# Altium PCB Control_Board_Model_C204.PcbDoc (part 3 of 6)
Units mm, origin at the board's own origin, x right, y up, seen from the top; angles counter-clockwise.
Board outline 50 x 50 mm, 8 copper layers (1-Top, 2-GND, 3-SIGNAL, 4-PWR, 5-GND, 6-SIGNAL, 7-GND, 8-Bottom), stack 0.972 mm thick; 432 components, 324 nets, 1521 pads, 1172 vias.
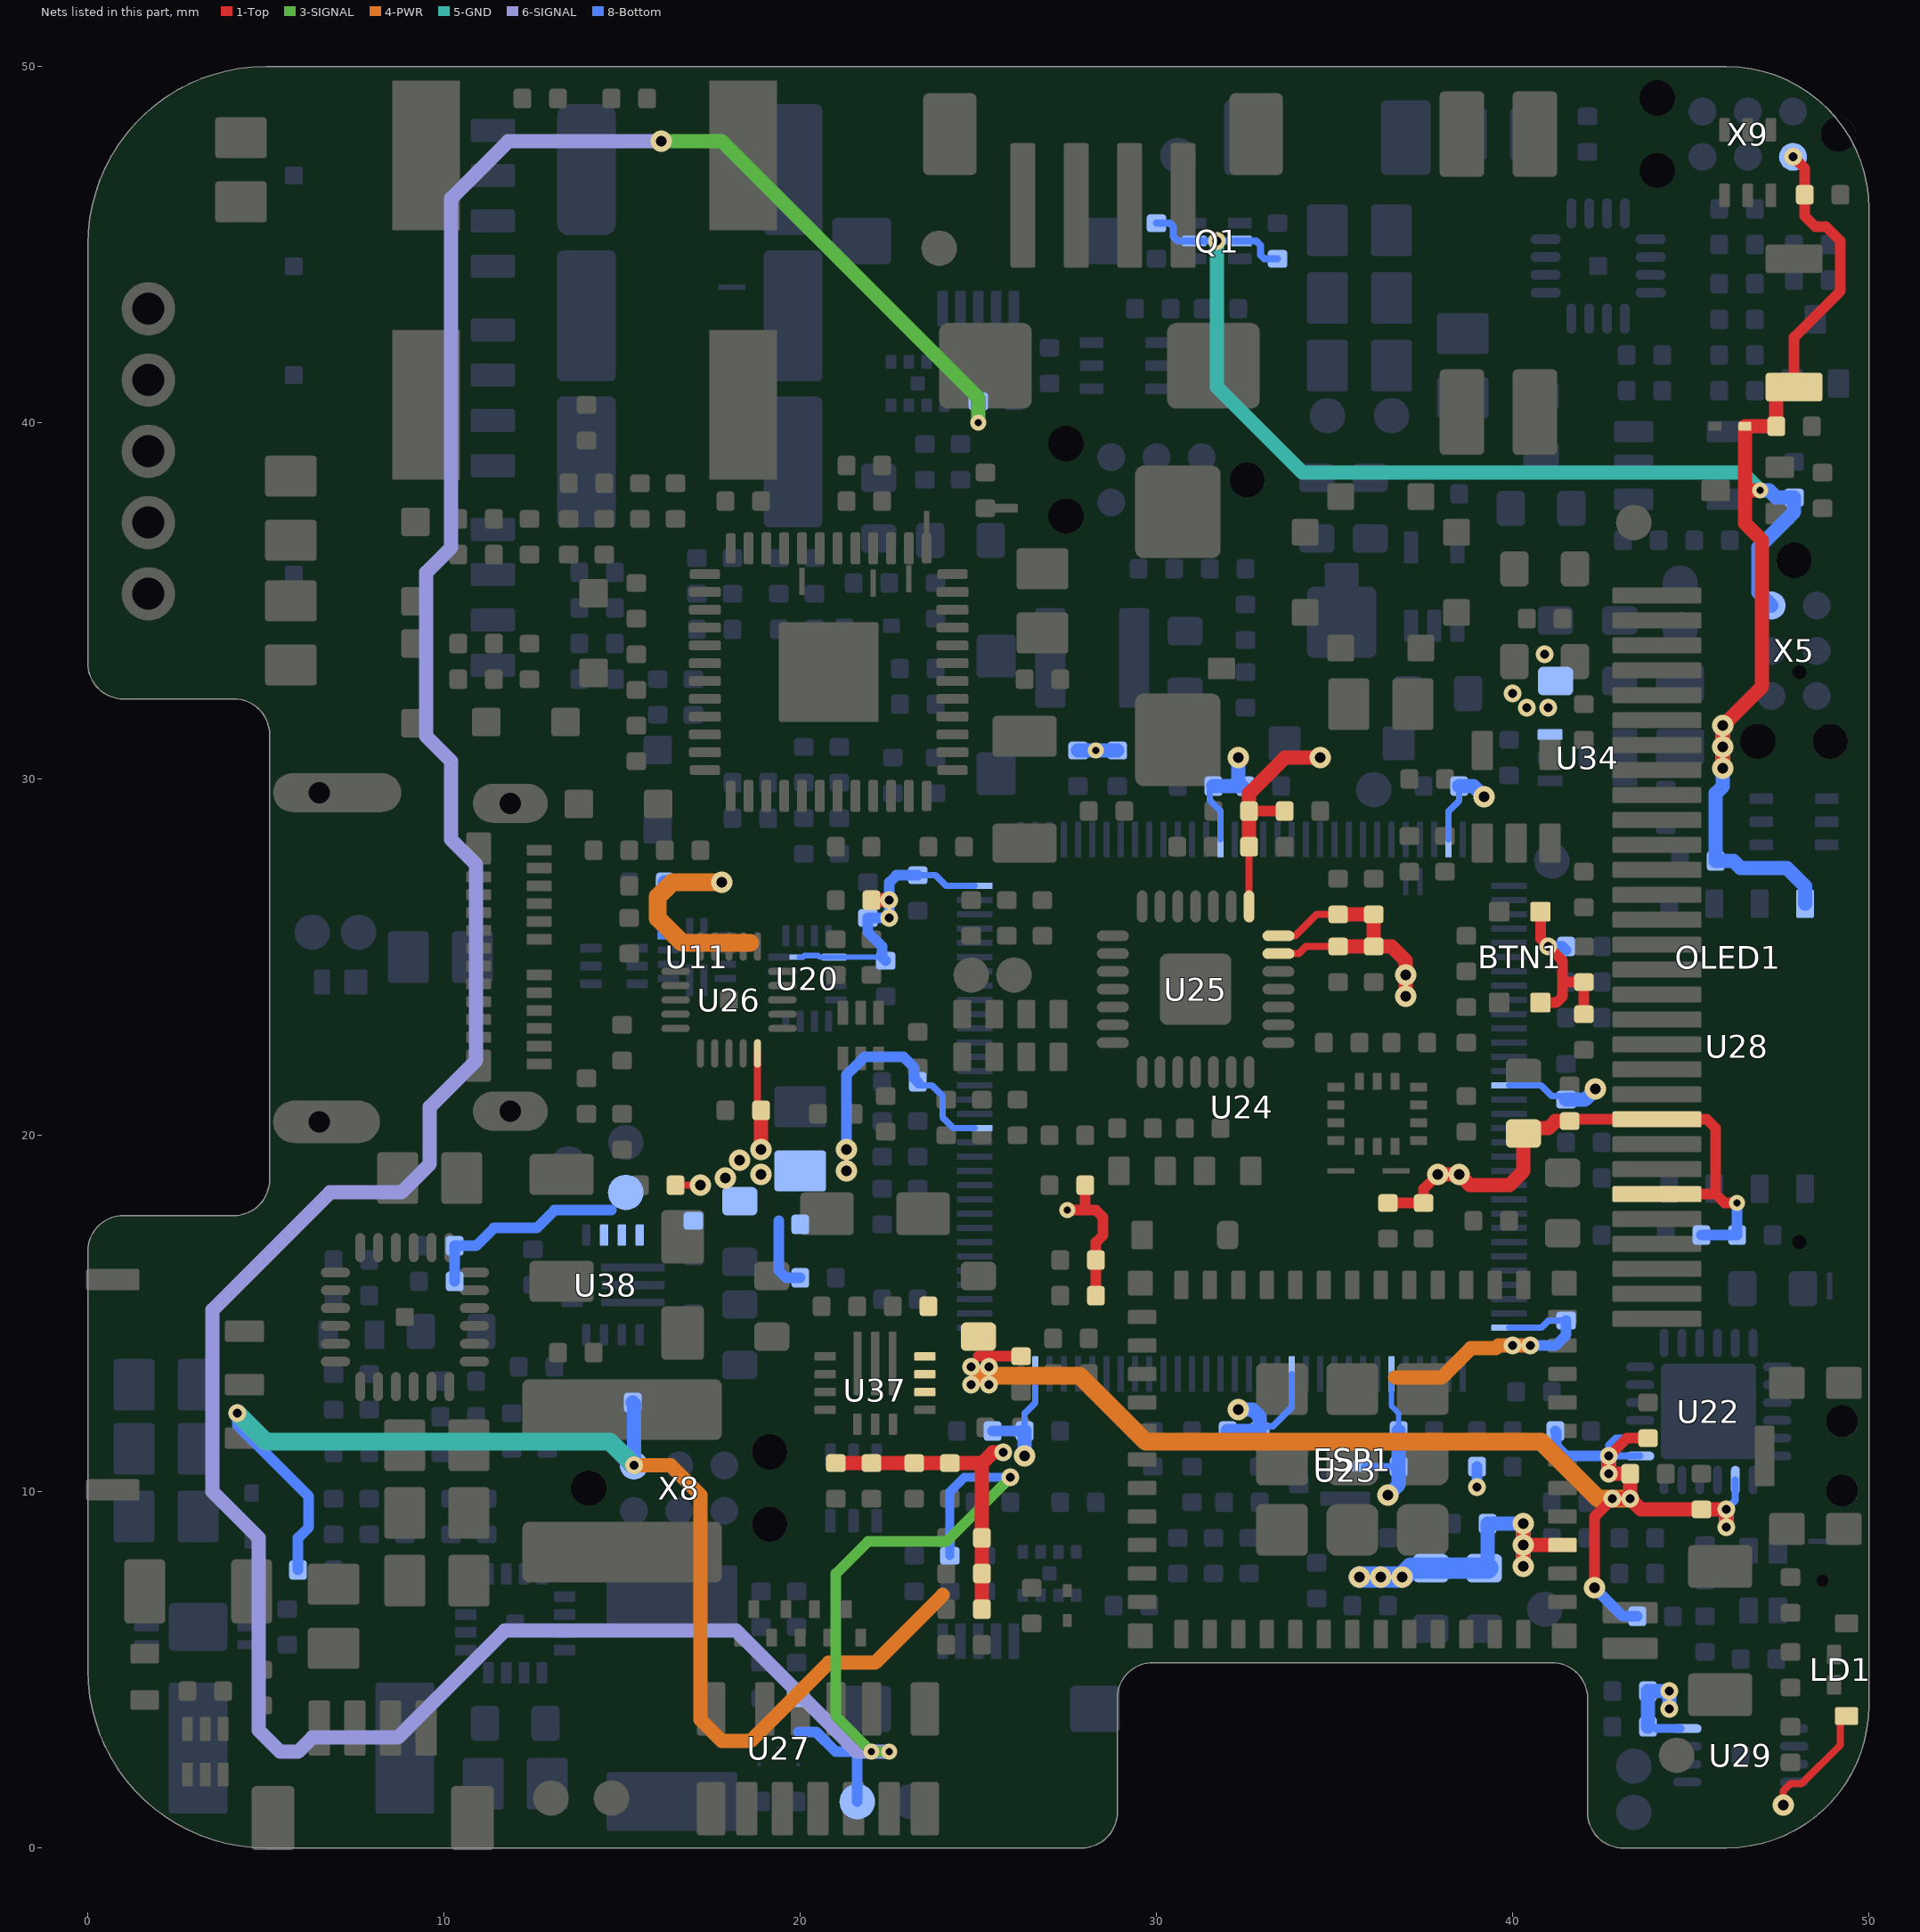
[diagram p9: the nets of this part, all layers, seen from the top]

## Part data (continued)
L4: "2.2 µH Shielded - Inductor 7.5 A 16.1mOhm Max Nonstandard -", Inductance="2.2 uH", Manufacturer="Wurth Elektronik", Manufacturer Part Number=74438367022, Maximum DC Current="7.5 A", Maximum DC Resistance="16.1 mOhms", Maximum Operating Temperature="+ 125 C", Minimum Operating Temperature="- 40 C", Self Resonant Frequency="28 MHz", Supplier Part Number 1=732-74438367022TR-ND, Tolerance="20 %", Application=Power, Brand="Wurth Elektronik", Category="Fixed Inductors", ComponentLink1Description=https://www.digikey.com/en/products/detail/würth-elektronik/74438367022/11657904?s=N4IgTCBcDaIOwBYEGYAcyBscAMYIF0BfIA, ComponentLink1URL=https://www.digikey.com/en/products/detail/würth-elektronik/74438367022/11657904?s=N4IgTCBcDaIOwBYEGYAcyBscAMYIF0BfIA, Height="3.1 mm", Length="5.4 mm", Minimum Order Quantity=1, Mount="Surface Mount", Mounting Style="PCB Mount", Packaging="Cut Tape", Pricing 1="1=0.730, 10=0.721, 50=0.601, 100=0.457, 1000=0.397, 2000=0.385 (USD)", Product="Fixed Inductors", Product Type="Fixed Inductors", Reeling=True, RoHS="RoHS Compliant", RoHS - Mouser=Y, Saturation Current="7.5 A", Series=WE-MAPI, Shielding=Shielded, Standard Pack Qty=700, Stock 1=2000, Subcategory="Inductors, Chokes & Coils", Supplier 2=Digi-Key, Termination=-, Termination Style=SMD/SMT, Width="5.4 mm"
L5 L6: "1µH Shielded Molded Inductor 5A 24mOhm Max Nonstandard", Case/Package=1212, Case Code (Metric)=3630, Current Rating=5A, DC Resistance (DCR)=24mR, Inductance=1uH, Inductance Tolerance=20%, Manufacturer="Vishay Dale", Manufacturer Part Number=IHLP1212BZER1R0M11, Max Operating Temperature=125°C, Min Operating Temperature=-55°C, Package Quantity=3000, Saturation Current=4.5A, Self Resonant Frequency=75MHz, Supplier Part Number 1=541-1319-1-ND, Test Frequency=100kHz, Case Code (Imperial)=1212, ComponentLink1Description=http://www.mouser.com/ds/2/427/lp12bz11-244380.pdf?src-supplier=Mouser, ComponentLink1URL=http://www.mouser.com/ds/2/427/lp12bz11-244380.pdf?src-supplier=Mouser, ComponentLink2Description=http://www.vishay.com/docs/34289/lp12bz11.pdf?src-supplier=Digi-Key, ComponentLink2URL=http://www.vishay.com/docs/34289/lp12bz11.pdf?src-supplier=Digi-Key, ComponentLink3Description=http://www.vishay.com/docs/34289/lp12bz11.pdf?src-supplier=Avnet, ComponentLink3URL=http://www.vishay.com/docs/34289/lp12bz11.pdf?src-supplier=Avnet, ComponentLink4Description=http://www.farnell.com/datasheets/652599.pdf?src-supplier=Element14, ComponentLink4URL=http://www.farnell.com/datasheets/652599.pdf?src-supplier=Element14, ComponentLink5Description=http://www.vishay.com/docs/34289/lp12bz11.pdf?src-supplier=Avnet+Europe, ComponentLink5URL=http://www.vishay.com/docs/34289/lp12bz11.pdf?src-supplier=Avnet+Europe, ComponentLink6Description=https://www.verical.com/server-webapp/html/getDatasheet?partID=180380&src-supplier=Verical, ComponentLink6URL=https://www.verical.com/server-webapp/html/getDatasheet?partID=180380&src-supplier=Verical, Contact Plating=Tin, Core Material=Metal,Composite, Depth=3.2mm, Height=2mm, Height - Seated (Max)=0.079inch, Lead Free="Lead Free", Length=3.6mm, Max DC Current=5A, Military Standard=Not, Mount="Surface Mount", Number of Pins=2, Packaging="Tape and Reel", Pricing 1="1=1.39, 10=1.287, 25=1.188, 50=0.99, 100=0.9306, 250=0.8316, 500=0.7128, 1000=0.6336 (USD)", Radiation Hardening=No, REACH SVHC=Unknown, RMS Current (Irms)=5A, Shielding=Shielded, Stock 1=70286, Supplier 1=Digi-Key, Termination=SMD/SMT, Tolerance=20%, Width=0.118inch
LD1: library part "LED RGB PCB SIDE VIEW SMD", "Red, Green, Blue (RGB) 619nm Red, 532nm Green, 473nm Blue LED Indication - Discrete 1.85V Red, 2.9V Green, 2.9V Blue 4-SMD, No Lead", Color=Blue,Green,Red, Forward Voltage=3.3V, Manufacturer="Everlight Electronics Co Ltd", Supplier Part Number 1=1080-EASV2713RGBA1TR-ND, Test Current=5mA, ComponentLink1Description=https://www.digikey.com/en/products/detail/everlight-electronics-co-ltd/EASV2713RGBA1/11200807, ComponentLink1URL=https://www.digikey.com/en/products/detail/everlight-electronics-co-ltd/EASV2713RGBA1/11200807, Element Configuration="Common Anode", Height=0.5mm, Lens Style="Rectangle with Flat Top", Lens Transparency=Diffused, Manufacturer Part Number=EASV2713RGBA1, Mount="Surface Mount", Packaging="Tape and Reel", Pricing 1="1=0.51, 50=0.415, 100=0.298, 500=0.272 (USD)", Stock 1=7810, Supplier 1=Digi-Key, Viewing Angle=130°
OLED1: library part "MOD QG-2864KSWEG01 OLED DISPLAY", "OLED Display Module FPC #LT1306P22 TOP 30P 0.7MM", Manufacturer="Limito Technology Inc.", Max Operating Temperature=70°C, Min Operating Temperature=-40°C, Manufacturer Part Number=QG-2864KSWEG01, Mount="FPC Soldered on PCB", Number of Circuits=30, Number of Columns=128, Number of Contacts=30, Number of Rows=64, pin_1=GND, pin_2=C2P, pin_3=C2N, pin_4=C1P, pin_5=C1N, pin_6=VBAT, pin_7=NC, pin_8=VSS, pin_9=VDD, pin_10=BS0, pin_11=BS1, pin_12=BS2, pin_13=CS#, pin_14=RES#, pin_15=D/C#, pin_16=R/W#, pin_17=E/RD#, pin_18=D0, pin_19=D1, pin_20=D2, pin_21=D3, pin_22=D4, pin_23=D5, pin_24=D6, pin_25=D7, pin_26=IREF, pin_27=VCOMH, pin_28=VCC, pin_29=VSS, pin_30=GND, Pitch=0.7mm
P1: library part "CONN HEADER VERT 5POS 2MM", "Connector Header Through Hole 5 position 0.079\" (2.00mm)", Color=Natural, Contact Resistance=20mR, Current Rating=2A, Housing Color=Beige, Manufacturer=JST, Manufacturer Part Number=B5B-PH-K-S(LF)(SN), Max Operating Temperature=85°C, Max Voltage Rating (AC)=100V, Min Operating Temperature=-25°C, Supplier Part Number 1=455-1707-ND, ComponentLink1Description=https://www.digikey.com/en/products/detail/jst-sales-america-inc/B5B-PH-K-S-LF-SN/926614, ComponentLink1URL=https://www.digikey.com/en/products/detail/jst-sales-america-inc/B5B-PH-K-S-LF-SN/926614, Connector Type="Male Pin", Contact Material=Brass,Tin, Contact Plating=Tin,Copper, Contact Type="Male Pin", Depth=6.5mm, DNP Status=DNP, Fastening Type=Detent, Gender=Male, Height=8mm, Housing Material=Polyamide, Lead Free="Lead Free", Length=11.9mm, Max Current Rating=2A, Mount="Surface Mount", Number of Contacts=5, Number of Positions=5, Number of Rows=1, Orientation="Right Angle", Packaging="Tape and Reel", pin_1=U, pin_2=V, pin_3=W, pin_4=NTC-, pin_5=NTC+, pin_MP1=MP, pin_MP2=MP, Pitch=2mm, REACH SVHC=Unknown, Series=ZH, Stock 1=0, Supplier 1=Digi-Key, Termination=Solder, Voltage Rating=100V, Width=3.5mm
P2: library part "CONN HEADER SMD 4POS 1MM", "Connector Header Surface Mount 4 position 0.039\" (1.00mm)", Color=White, Contact Resistance=30mR, Current Rating=1A, Flammability Rating="UL94 V-0", Insulation Color=Natural, Insulation Resistance=100MR, Manufacturer=JST, Manufacturer Part Number=BM04B-NSHSS-TBT(LF)(SN), Max Operating Temperature=85°C, Max Voltage Rating (AC)=50V, Min Operating Temperature=-25°C, Body Plating=Tin, ComponentLink1Description=https://www.digikey.com/en/products/detail/jst-sales-america-inc/BM04B-NSHSS-TBT-LF-SN/3313642, ComponentLink1URL=https://www.digikey.com/en/products/detail/jst-sales-america-inc/BM04B-NSHSS-TBT-LF-SN/3313642, Connector Type="Header,Male Pin", Contact Material=Brass,Tin,Copper, Contact Plating=Tin,Copper, Contact Shape=Circular, Fastening Type=Detent, Gender=Male, Housing Material=Polyamide, Insulation Material=Nylon, Lead Pitch=1mm, Material=Nylon, Max Current Rating=1A, Max Voltage Rating (DC)=50V, Mount=SMD, Number of Contacts=4, Number of Pins=4, Number of Positions=4, Number of Rows=1, Orientation="Right Angle", Packaging=Bulk, pin_1=A+, pin_2=A-, pin_3=B+, pin_4=B-, Pitch=1mm, REACH SVHC="No SVHC", Stock 1=0, Supplier Part Number 1=BM04B-NSHSS-TBT(LF)(SN), Termination=Solder, Voltage Rating=50V, Voltage Rating (AC)=50V, Voltage Rating (DC)=50V
P3: library part "CONN HEADER SMD 4POS 1.5MM", "Connector Header Surface Mount 4 position 0.059\" (1.50mm)", Color=White, Contact Resistance=30mR, Current Rating=1A, Flammability Rating="UL94 V-0", Housing Color=Beige, Insulation Color=Natural, Insulation Resistance=500MR, Manufacturer=JST, Manufacturer Part Number=B4B-ZR-SM4-TFT(LF)(SN), Max Operating Temperature=85°C, Max Voltage Rating (AC)=50V, Min Operating Temperature=-25°C, Body Plating=Tin, ComponentLink1Description=https://www.digikey.com/en/products/detail/jst-sales-america-inc/B4B-ZR-SM4-TFT-LF-SN/2650576, ComponentLink1URL=https://www.digikey.com/en/products/detail/jst-sales-america-inc/B4B-ZR-SM4-TFT-LF-SN/2650576, Connector Type="Header,Male Pin", Contact Material=Brass,Tin,Copper, Contact Mating Length=0.094inch, Contact Plating=Tin,Copper, Contact Shape=Circular, Depth=6mm, Fastening Type=Detent, Gender=Male, Height=7.2mm, Housing Material=Polyamide, Insulation Material=Nylon, Lead Free="Lead Free", Lead Pitch=1.5mm, Length=7.5mm, Material=Nylon, Max Current Rating=1A, Max Voltage Rating (DC)=50V, Mount=SMD, Number of Contacts=4, Number of Pins=4, Number of Positions=4, Number of Rows=1, Packaging=Bulk, Panel Thickness=3.5mm, pin_1=GND, pin_2=+VDC, pin_3=SENSE, pin_4=CTRL, Pitch=1.5mm, REACH SVHC="No SVHC", Stock 1=0, Supplier 1=Arrow, Supplier Part Number 1=B4B-ZR-SM4-TFT(LF)(SN), Termination=Solder, Voltage Rating=50V, Voltage Rating (AC)=50V, Voltage Rating (DC)=50V, Width=3.5mm
P4: library part "AUDIO MAGNETIC XDCR 2-4V SMD", "Buzzers Transducer, Externally Driven 90mA 4kHz 70dB @ 3V, 10cm Surface Mount Solder Pads", Frequency=4kHz, Manufacturer="Projects Unlimited", Manufacturer Part Number=SMT-0440-S-R, Max Operating Temperature=70°C, Min Operating Temperature=-20°C, Operating Supply Current=90mA, Supplier Part Number 1=668-1488-1-ND, Voltage Rating=3V, ComponentLink1Description=http://www.puiaudio.com/pdf/SMT-0440-S-R.pdf?src-supplier=Avnet, ComponentLink1URL=http://www.puiaudio.com/pdf/SMT-0440-S-R.pdf?src-supplier=Avnet, ComponentLink2Description=http://www.mouser.com/ds/2/334/SMT-0440-S-R-535654.pdf?src-supplier=Mouser, ComponentLink2URL=http://www.mouser.com/ds/2/334/SMT-0440-S-R-535654.pdf?src-supplier=Mouser, ComponentLink3Description=http://www.puiaudio.com/pdf/SMT-0440-S-R.pdf?src-supplier=Digi-Key, ComponentLink3URL=http://www.puiaudio.com/pdf/SMT-0440-S-R.pdf?src-supplier=Digi-Key, Length=4mm, Mount="Surface Mount", Packaging="Tape and Reel", Pricing 1="1=3.25, 10=2.689, 25=2.4812, 50=2.3302, 100=2.185, 500=1.885 (USD)", Sensing Method=Magnetic, Stock 1=4568, Supplier 1=Digi-Key, Termination=Solder, Width=4mm
P5 P6: library part "CONN FFC FPC TOP 5POS 0.50MM R/A", "5 Position FFC, FPC Connector Contacts, Top 0.020\" (0.50mm) Surface Mount, Right Angle", Contact Resistance=40mR, Current Rating=500mA, Flammability Rating="UL94 V-0", Manufacturer=Molex, Manufacturer Part Number=0545500571, Max Operating Temperature=85°C, Min Operating Temperature=-20°C, Package Quantity=1, Supplier Part Number 1=WM8824CT-ND, Voltage Rating=50V, Actuator Material=Polyphenylene, ComponentLink1Description=http://www.molex.com/webdocs/datasheets/pdf/en-us/0545500571_FFC_FPC_CONNECTORS.pdf?src-supplier=Avnet, ComponentLink1URL=http://www.molex.com/webdocs/datasheets/pdf/en-us/0545500571_FFC_FPC_CONNECTORS.pdf?src-supplier=Avnet, Contact Material=Bronze, Contact Plating=Gold, Depth=5mm, Housing Material=Polymer, Length=7.7mm, Mount="Surface Mount", Number of Positions=5, Number of Rows=1, Orientation="Right Angle", Packaging="Tape and Reel", pin_1=SCL, pin_2=SDA, pin_3=GND, pin_4=GPIO, pin_5=VDD, pin_MP1=MP, pin_MP2=MP, Pitch=0.02inch, Pricing 1="1=0.98, 10=0.808, 100=0.673, 1000=0.5384 (USD)", Radiation Hardening=No, Stock 1=20865, Supplier 1=Digi-Key, Termination=Solder, Wire/Cable Type=Straight
P8: library part "CONN 2012670005 RCP USB3.1 TYPEC 24P SMD RA", "USB-C (USB TYPE-C) USB 3.2 Gen 2 (USB 3.1 Gen 2, Superspeed + (USB 3.1)) Receptacle Connector 24 Position Surface Mount, Right Angle; Through Hole", Current Rating=5A, Flammability Rating="UL94 V-0", Insulation Color=Black, Manufacturer=Molex, Manufacturer Part Number=201267-0005, Max Operating Temperature=105°C, Min Operating Temperature=-40°C, Supplier Part Number 1=WM17992CT-ND, Voltage Rating=30V, ComponentLink1Description=https://www.molex.com/pdm_docs/sd/2012670005_sd.pdf?src-supplier=Digi-Key, ComponentLink1URL=https://www.molex.com/pdm_docs/sd/2012670005_sd.pdf?src-supplier=Digi-Key, ComponentLink2Description=http://www.farnell.com/datasheets/2722545.pdf?src-supplier=Element14, ComponentLink2URL=http://www.farnell.com/datasheets/2722545.pdf?src-supplier=Element14, ComponentLink3Description=http://www.farnell.com/datasheets/2722545.pdf?src-supplier=Newark, ComponentLink3URL=http://www.farnell.com/datasheets/2722545.pdf?src-supplier=Newark, ComponentLink4Description=https://www.molex.com/pdm_docs/pk/2012670005-PK1.pdf?src-supplier=Digi-Key, ComponentLink4URL=https://www.molex.com/pdm_docs/pk/2012670005-PK1.pdf?src-supplier=Digi-Key, ComponentLink5Description=http://www.farnell.com/datasheets/2722545.pdf?src-supplier=Farnell, ComponentLink5URL=http://www.farnell.com/datasheets/2722545.pdf?src-supplier=Farnell, Connector Type=USB, Contact Plating=Gold, Gender=Receptacle, Mating Cycles=20000, Mount="Surface Mount,Through Hole", Number of Contacts=24, Number of Ports=1, Packaging="Tape and Reel", Pricing 1="1=2.34, 10=1.997, 100=1.6496 (USD)", Shielding=Shielded, Stock 1=2580, Supplier 1=Digi-Key, Termination=Solder
P9: library part "CONN HEADER SMD 2POS 1MM", "Connector Header Surface Mount 2 position 0.039\" (1.00mm)", Color=Natural, Contact Resistance=30mR, Current Rating=1A, Flammability Rating="UL94 V-0", Housing Color=Beige, Manufacturer=JST, Manufacturer Part Number=BM02B-SRSS-TB(LF)(SN), Max Operating Temperature=85°C, Max Voltage Rating (AC)=50V, Min Operating Temperature=-25°C, Supplier Part Number 1=455-1788-2-ND, ComponentLink1Description=https://www.digikey.com/en/products/detail/jst-sales-america-inc/BM02B-SRSS-TB-LF-SN/926694, ComponentLink1URL=https://www.digikey.com/en/products/detail/jst-sales-america-inc/BM02B-SRSS-TB-LF-SN/926694, Connector Type=Header, Contact Finish - Mating=TIN, Contact Material=Brass,Tin, Contact Plating=Tin,Copper, Contact Shape=Circular, Contact Type="Male Pin", Fastening Type=Detent, Gender=Male, Housing Material=Polyamide, Insulation Color=Natural, Insulation Material=Nylon, Lead Free="Lead Free", Max Current Rating=1A, Max Voltage Rating (DC)=50V, Mount="Surface Mount", Number of Contacts=2, Number of Positions=2, Number of Rows=1, Orientation="Right Angle", Packaging="Tape and Reel", pin_1=SP+, pin_2=SP-, pin_MP1=MP, pin_MP2=MP, Pitch=1mm, Pricing 1="1=0.51, 10=0.481, 100=0.3688, 500=0.3207 (USD)", Series=BM02B-SR, Stock 1=136465, Supplier 1=Digi-Key, Termination=Solder, Voltage Rating=50V
P11: library part "CONN HEADER VERT 3POS 2 MM", "Connector Header Through Hole 3 position 0.079\" (2.00mm)", Color=Natural, Contact Resistance=20mR, Current Rating=3A, Housing Color=Beige, Manufacturer=JST, Manufacturer Part Number=B03B-PASK-1(LF)(SN), Max Operating Temperature=85°C, Max Voltage Rating (AC)=250V, Min Operating Temperature=-25°C, Supplier Part Number 1=455-1833-ND, ComponentLink1Description=https://www.digikey.com/en/products/detail/jst-sales-america-inc/B03B-PASK-1-LF-SN/926739, ComponentLink1URL=https://www.digikey.com/en/products/detail/jst-sales-america-inc/B03B-PASK-1-LF-SN/926739, Connector Type="Male Pin", Contact Material=Brass,Tin, Contact Plating=Tin,Copper, Contact Type="Male Pin", Fastening Type=Detent, Gender=Male, Housing Material=Polyamide, Lead Free="Lead Free", Max Current Rating=3A, Mount="Surface Mount", Number of Contacts=3, Number of Positions=3, Number of Rows=1, Orientation="Right Angle", Packaging="Tape and Reel", pin_1=BATT+, pin_2=NTC, pin_3=BATT-, Pitch=2mm, REACH SVHC=Unknown, Series=ZH, Stock 1=0, Supplier 1=Digi-Key, Termination=Solder, Voltage Rating=250V
Q1 Q8: library part "ARRAY MOSFET 2N-CH 30V 0.4A SOT-563", "Mosfet Array 2 N-Channel (Dual) 30V 400mA 400mW Surface Mount SOT-563", Case/Package=SOT-563, Continuous Drain Current (ID)=400mA, Drain to Source Breakdown Voltage=30V, Drain to Source Resistance=1.2R, Gate to Source Voltage (Vgs)=10V, Input Capacitance=39pF, Manufacturer=Diodes, Max Operating Temperature=150°C, Max Power Dissipation=400mW, Min Operating Temperature=-55°C, Package Quantity=3000, Supplier Part Number 1=DMN32D2LV-7DICT-ND, ComponentLink1Description=https://www.diodes.com/assets/Datasheets/ds31121.pdf?src-supplier=Digi-Key, ComponentLink1URL=https://www.diodes.com/assets/Datasheets/ds31121.pdf?src-supplier=Digi-Key, ComponentLink2Description=http://www.mouser.com/ds/2/115/ds31121-89496.pdf?src-supplier=Mouser, ComponentLink2URL=http://www.mouser.com/ds/2/115/ds31121-89496.pdf?src-supplier=Mouser, ComponentLink3Description=http://www.diodes.com///datasheets/ds31121.pdf?src-supplier=Avnet, ComponentLink3URL=http://www.diodes.com///datasheets/ds31121.pdf?src-supplier=Avnet, Drain to Source Voltage (Vdss)=30V, Element Configuration=Dual, FET Type="2 N-Channel", Height=0.6mm, Length=1.6mm, Manufacturer Part Number=DMN32D2LV-7, Mount="Surface Mount", Number of Channels=2, Packaging="Tape and Reel", Polarity=N-CHANNEL, Pricing 1="1=0.39, 10=0.338, 25=0.3152, 100=0.234, 500=0.1827, 1000=0.1485 (USD)", Radiation Hardening=No, Rds On Max=1.2R, REACH SVHC="No SVHC", Series=-, Stock 1=141366, Supplier 1=Digi-Key, Weight=0.000106oz, Width=1.2mm
  Q8: ClassName=TCPP
Q2: library part "MOSFET BSS816NWH6327XTSA1 N-CH 20V 1.4A SOT323", "N-Channel 20V 1.4A (Ta) 500mW (Ta) Surface Mount PG-SOT323-3", Case/Package=SOT-323, Continuous Drain Current (ID)=1.4A, Drain to Source Breakdown Voltage=20V, Drain to Source Resistance=160mR, Gate to Source Voltage (Vgs)=8V, Input Capacitance=180pF, Manufacturer=Infineon, Max Operating Temperature=150°C, Max Power Dissipation=500mW, Min Operating Temperature=-55°C, Package Quantity=3000, Supplier Part Number 1=BSS816NWH6327XTSA1CT-ND, Threshold Voltage=550mV, ComponentLink1Description=http://www.infineon.com/dgdl/BSS816NW_Rev2.3_.pdf?folderId=db3a3043156fd573011622e10b5c1f67&fileId=db3a304335113a6301351e704a2e1332&src-supplier=Avnet, ComponentLink1URL=http://www.infineon.com/dgdl/BSS816NW_Rev2.3_.pdf?folderId=db3a3043156fd573011622e10b5c1f67&fileId=db3a304335113a6301351e704a2e1332&src-supplier=Avnet, ComponentLink2Description=http://www.farnell.com/datasheets/2117725.pdf?src-supplier=Farnell, ComponentLink2URL=http://www.farnell.com/datasheets/2117725.pdf?src-supplier=Farnell, ComponentLink3Description=https://www.infineon.com/dgdl/Infineon-BSS816NW-DS-v02_03-en.pdf?fileId=db3a304335113a6301351e704a2e1332&src-supplier=Digi-Key, ComponentLink3URL=https://www.infineon.com/dgdl/Infineon-BSS816NW-DS-v02_03-en.pdf?fileId=db3a304335113a6301351e704a2e1332&src-supplier=Digi-Key, ComponentLink4Description=http://components.arrow.com/part/dataview/53682469S9650N2051?src-supplier=Arrow, ComponentLink4URL=http://components.arrow.com/part/dataview/53682469S9650N2051?src-supplier=Arrow, ComponentLink5Description=http://www.farnell.com/datasheets/2117725.pdf?src-supplier=Element14, ComponentLink5URL=http://www.farnell.com/datasheets/2117725.pdf?src-supplier=Element14, ComponentLink6Description=http://www.mouser.com/ds/2/196/Infineon-BSS816NW-DS-v02_03-en-522793.pdf?src-supplier=Mouser, ComponentLink6URL=http://www.mouser.com/ds/2/196/Infineon-BSS816NW-DS-v02_03-en-522793.pdf?src-supplier=Mouser, Contact Plating=Tin, Drain to Source Voltage (Vdss)=20V, Fall Time=2.2ns, Halogen Free="Halogen Free", Lead Free="Lead Free", Manufacturer Part Number=BSS816NWH6327XTSA1, Max Dual Supply Voltage=20V, Mount="Surface Mount", Number of Channels=1, Number of Pins=3, Packaging="Tape and Reel", Pricing 1="1=0.37, 10=0.306, 25=0.2564, 100=0.1254, 250=0.1234, 500=0.1046, 1000=0.0727 (USD)", Rds On Max=160mR, REACH SVHC="No SVHC", Rise Time=9ns, Stock 1=12407, Supplier 1=Digi-Key, Turn-Off Delay Time=11ns, Turn-On Delay Time=5.3ns, Weight=0.004395oz
Q6 Q7 Q9: library part "TRANS BC847CW,115 NPN 45V 0.1A SOT323", "Bipolar (BJT) Transistor NPN 45V 100mA 100MHz 200mW Surface Mount SOT-323-3", Manufacturer=Nexperia, Supplier Part Number 1=1727-4312-1-ND, ComponentLink1Description=http://www.farnell.com/datasheets/1856333.pdf?src-supplier=Farnell, ComponentLink1URL=http://www.farnell.com/datasheets/1856333.pdf?src-supplier=Farnell, ComponentLink2Description=http://www.farnell.com/datasheets/1856333.pdf?src-supplier=Element14, ComponentLink2URL=http://www.farnell.com/datasheets/1856333.pdf?src-supplier=Element14, ComponentLink3Description=https://assets.nexperia.com/documents/data-sheet/BC847_SER.pdf?src-supplier=Digi-Key, ComponentLink3URL=https://assets.nexperia.com/documents/data-sheet/BC847_SER.pdf?src-supplier=Digi-Key, ComponentLink4Description=http://www.farnell.com/datasheets/1856333.pdf?src-supplier=Newark, ComponentLink4URL=http://www.farnell.com/datasheets/1856333.pdf?src-supplier=Newark, Manufacturer Part Number=BC847CW,115, Mount="Surface Mount", Pricing 1="1=0.13, 10=0.118, 25=0.1124, 100=0.0495, 250=0.0475, 500=0.0389, 1000=0.027 (USD)", Stock 1=327256, Supplier 1=Digi-Key
  Q6 Q7: ClassName=U_ESP32-WROOM32D_Module
Q10 Q11 Q12: library part "ARRAY MOSFET 2N-CH 60V 33A POWERFLAT", "Mosfet Array 2 N-Channel (Dual) 60V 33A (Tc) 58W Surface Mount PowerFlat™ (5x6)", Case/Package=8-PowerVDFN, Continuous Drain Current (ID)=33A, Drain to Source Breakdown Voltage=60V, Drain to Source Resistance=1.2R, Gate to Source Voltage (Vgs)=20V, Input Capacitance=420pF, Manufacturer=STMicroelectronics, Max Operating Temperature=150°C, Max Power Dissipation=58W, Min Operating Temperature=-55°C, Package Quantity=3000, Supplier Part Number 1=DMN32D2LV-7DICT-ND, ClassName=TCPP, ComponentLink1Description=https://www.digikey.com/en/products/detail/stmicroelectronics/STL36DN6F7/7360914, ComponentLink1URL=https://www.digikey.com/en/products/detail/stmicroelectronics/STL36DN6F7/7360914, Drain to Source Voltage (Vdss)=60V, Element Configuration=Dual, FET Type="2 N-Channel", Height=0.6mm, Length=1.6mm, Manufacturer Part Number=STL36DN6F7, Mount="Surface Mount", Number of Channels=2, Packaging="Tape and Reel", Polarity=N-CHANNEL, Pricing 1="1=0.39, 10=0.338, 25=0.3152, 100=0.234, 500=0.1827, 1000=0.1485 (USD)", Radiation Hardening=No, Rds On Max=1.2R, REACH SVHC="No SVHC", Series=-, Stock 1=141366, Supplier 1=Digi-Key, Weight=0.000106oz, Width=1.2mm
Q13: library part "ARRAY MOSFET N/P-CH 20V 0.2A EMT6", "Mosfet Array N and P-Channel 20V 200mA 150mW Surface Mount EMT6", Case/Package=SOT-23-5, Continuous Drain Current (ID)=200mA, Drain to Source Resistance=1R, Drain to Source Voltage (Vdss)=20V, Input Capacitance=25pF, Manufacturer=Rohm, Max Operating Temperature=150°C, Max Power Dissipation=150mW, Min Operating Temperature=-55°C, Package Quantity=1, Supplier Part Number 1=EM6M2T2RCT-ND, ClassName=STM32G473CETx, ComponentLink1Description=http://rohmfs.rohm.com/en/techdata_basic/transistor/taping/EMT6_T2R_taping.pdf?src-supplier=Digi-Key, ComponentLink1URL=http://rohmfs.rohm.com/en/techdata_basic/transistor/taping/EMT6_T2R_taping.pdf?src-supplier=Digi-Key, FET Type="N and P-Channel", Lead Free="Lead Free", Manufacturer Part Number=EM6M2T2R, Mount="Surface Mount", Number of Pins=6, Packaging="Tape and Reel", Pricing 1="1=0.44, 10=0.375, 25=0.35, 100=0.26, 250=0.247, 500=0.203, 1000=0.165, 2500=0.155 (USD)", Radiation Hardening=No, Rds On Max=1R, Stock 1=84378, Supplier 1=Digi-Key
R1 R2 R3 R4: "4.75 kOhms ±1% 0.063W, 1/16W Chip Resistor 0402 (1005 Metric) Moisture Resistant Thick Film", Case/Package=0402, Case Code (Metric)=1005, Manufacturer=Yageo, Manufacturer Part Number=RC0402FR-074K75P, Max Operating Temperature=155°C, Max Power Dissipation=63mW, Min Operating Temperature=-55°C, Resistance=4.75kR, Supplier Part Number 1=YAG1271CT-ND, Temperature Coefficient=150ppm/°C, Tolerance=1%, Case Code (Imperial)=0402, ClassName=I2C_SW, ComponentLink1Description=http://www.yageo.com/NewPortal/yageodocoutput?fileName=/pdf/R-Chip/PYu-RC_51_RoHS_P_0.pdf&src-supplier=Digi-Key, ComponentLink1URL=http://www.yageo.com/NewPortal/yageodocoutput?fileName=/pdf/R-Chip/PYu-RC_51_RoHS_P_0.pdf&src-supplier=Digi-Key, ComponentLink2Description=http://www.yageo.com.tw/exep/pages/download/literatures/PYu-R_INT-thick_7.pdf?src-supplier=Digi-Key, ComponentLink2URL=http://www.yageo.com.tw/exep/pages/download/literatures/PYu-R_INT-thick_7.pdf?src-supplier=Digi-Key, Composition="Thick Film", Features="Moisture Resistant", Height=0.016inch, Length=0.039inch, Mount="Surface Mount", Number of Terminations=2, Packaging="Tape and Reel", Pricing 1="1=0.1, 10=0.035, 100=0.014, 1000=0.0063, 2500=0.0055, 5000=0.0045 (USD)", Stock 1=23485, Supplier 1=Digi-Key, Width=0.02inch
R5 R6 R98: "2.7 kOhms ±1% 0.063W, 1/16W Chip Resistor 0402 (1005 Metric) Moisture Resistant Thick Film", Case/Package=0402, Case Code (Metric)=1005, Manufacturer=Yageo, Manufacturer Part Number=RC0402FR-072K7L, Max Operating Temperature=155°C, Max Power Dissipation=63mW, Min Operating Temperature=-55°C, Package Quantity=1, Resistance=2.7kR, Supplier Part Number 1=311-2.70KLRCT-ND, Temperature Coefficient=100ppm/°C, Tolerance=1%, Voltage Rating=50V, Case Code (Imperial)=0402, ComponentLink1Description=http://www.mouser.com/ds/2/447/PYu-RC0402_51_RoHS_L_6_r-8721.pdf?src-supplier=Mouser, ComponentLink1URL=http://www.mouser.com/ds/2/447/PYu-RC0402_51_RoHS_L_6_r-8721.pdf?src-supplier=Mouser, ComponentLink2Description=http://www.yageo.com/documents/recent/PYu-RC_Group_51_RoHS_L_9.pdf?src-supplier=Digi-Key, ComponentLink2URL=http://www.yageo.com/documents/recent/PYu-RC_Group_51_RoHS_L_9.pdf?src-supplier=Digi-Key, ComponentLink3Description=http://www.yageo.com/documents/recent/PYu-RC_Group_51_RoHS_L_10.pdf?src-supplier=Digi-Key, ComponentLink3URL=http://www.yageo.com/documents/recent/PYu-RC_Group_51_RoHS_L_10.pdf?src-supplier=Digi-Key, ComponentLink4Description=http://www.farnell.com/datasheets/2167052.pdf?src-supplier=Element14, ComponentLink4URL=http://www.farnell.com/datasheets/2167052.pdf?src-supplier=Element14, Composition="Thick Film", Depth=0.5mm, Features="Moisture Resistant", Height=0.016inch, Lead Free="Lead Free", Length=1mm, Military Standard=Not, Mount="Surface Mount", Number of Terminations=2, Packaging="Tape and Reel", Power Rating=63mW, Pricing 1="1=0.1, 10=0.016, 100=0.0064, 1000=0.0029, 2500=0.0025, 5000=0.0021 (USD)", REACH SVHC=Unknown, Stock 1=261850, Supplier 1=Digi-Key, Termination=SMD/SMT, Width=0.02inch, Working Voltage=50V